# Altium PCB Minion_Rev2.PcbDoc (part 1 of 11) (continued)
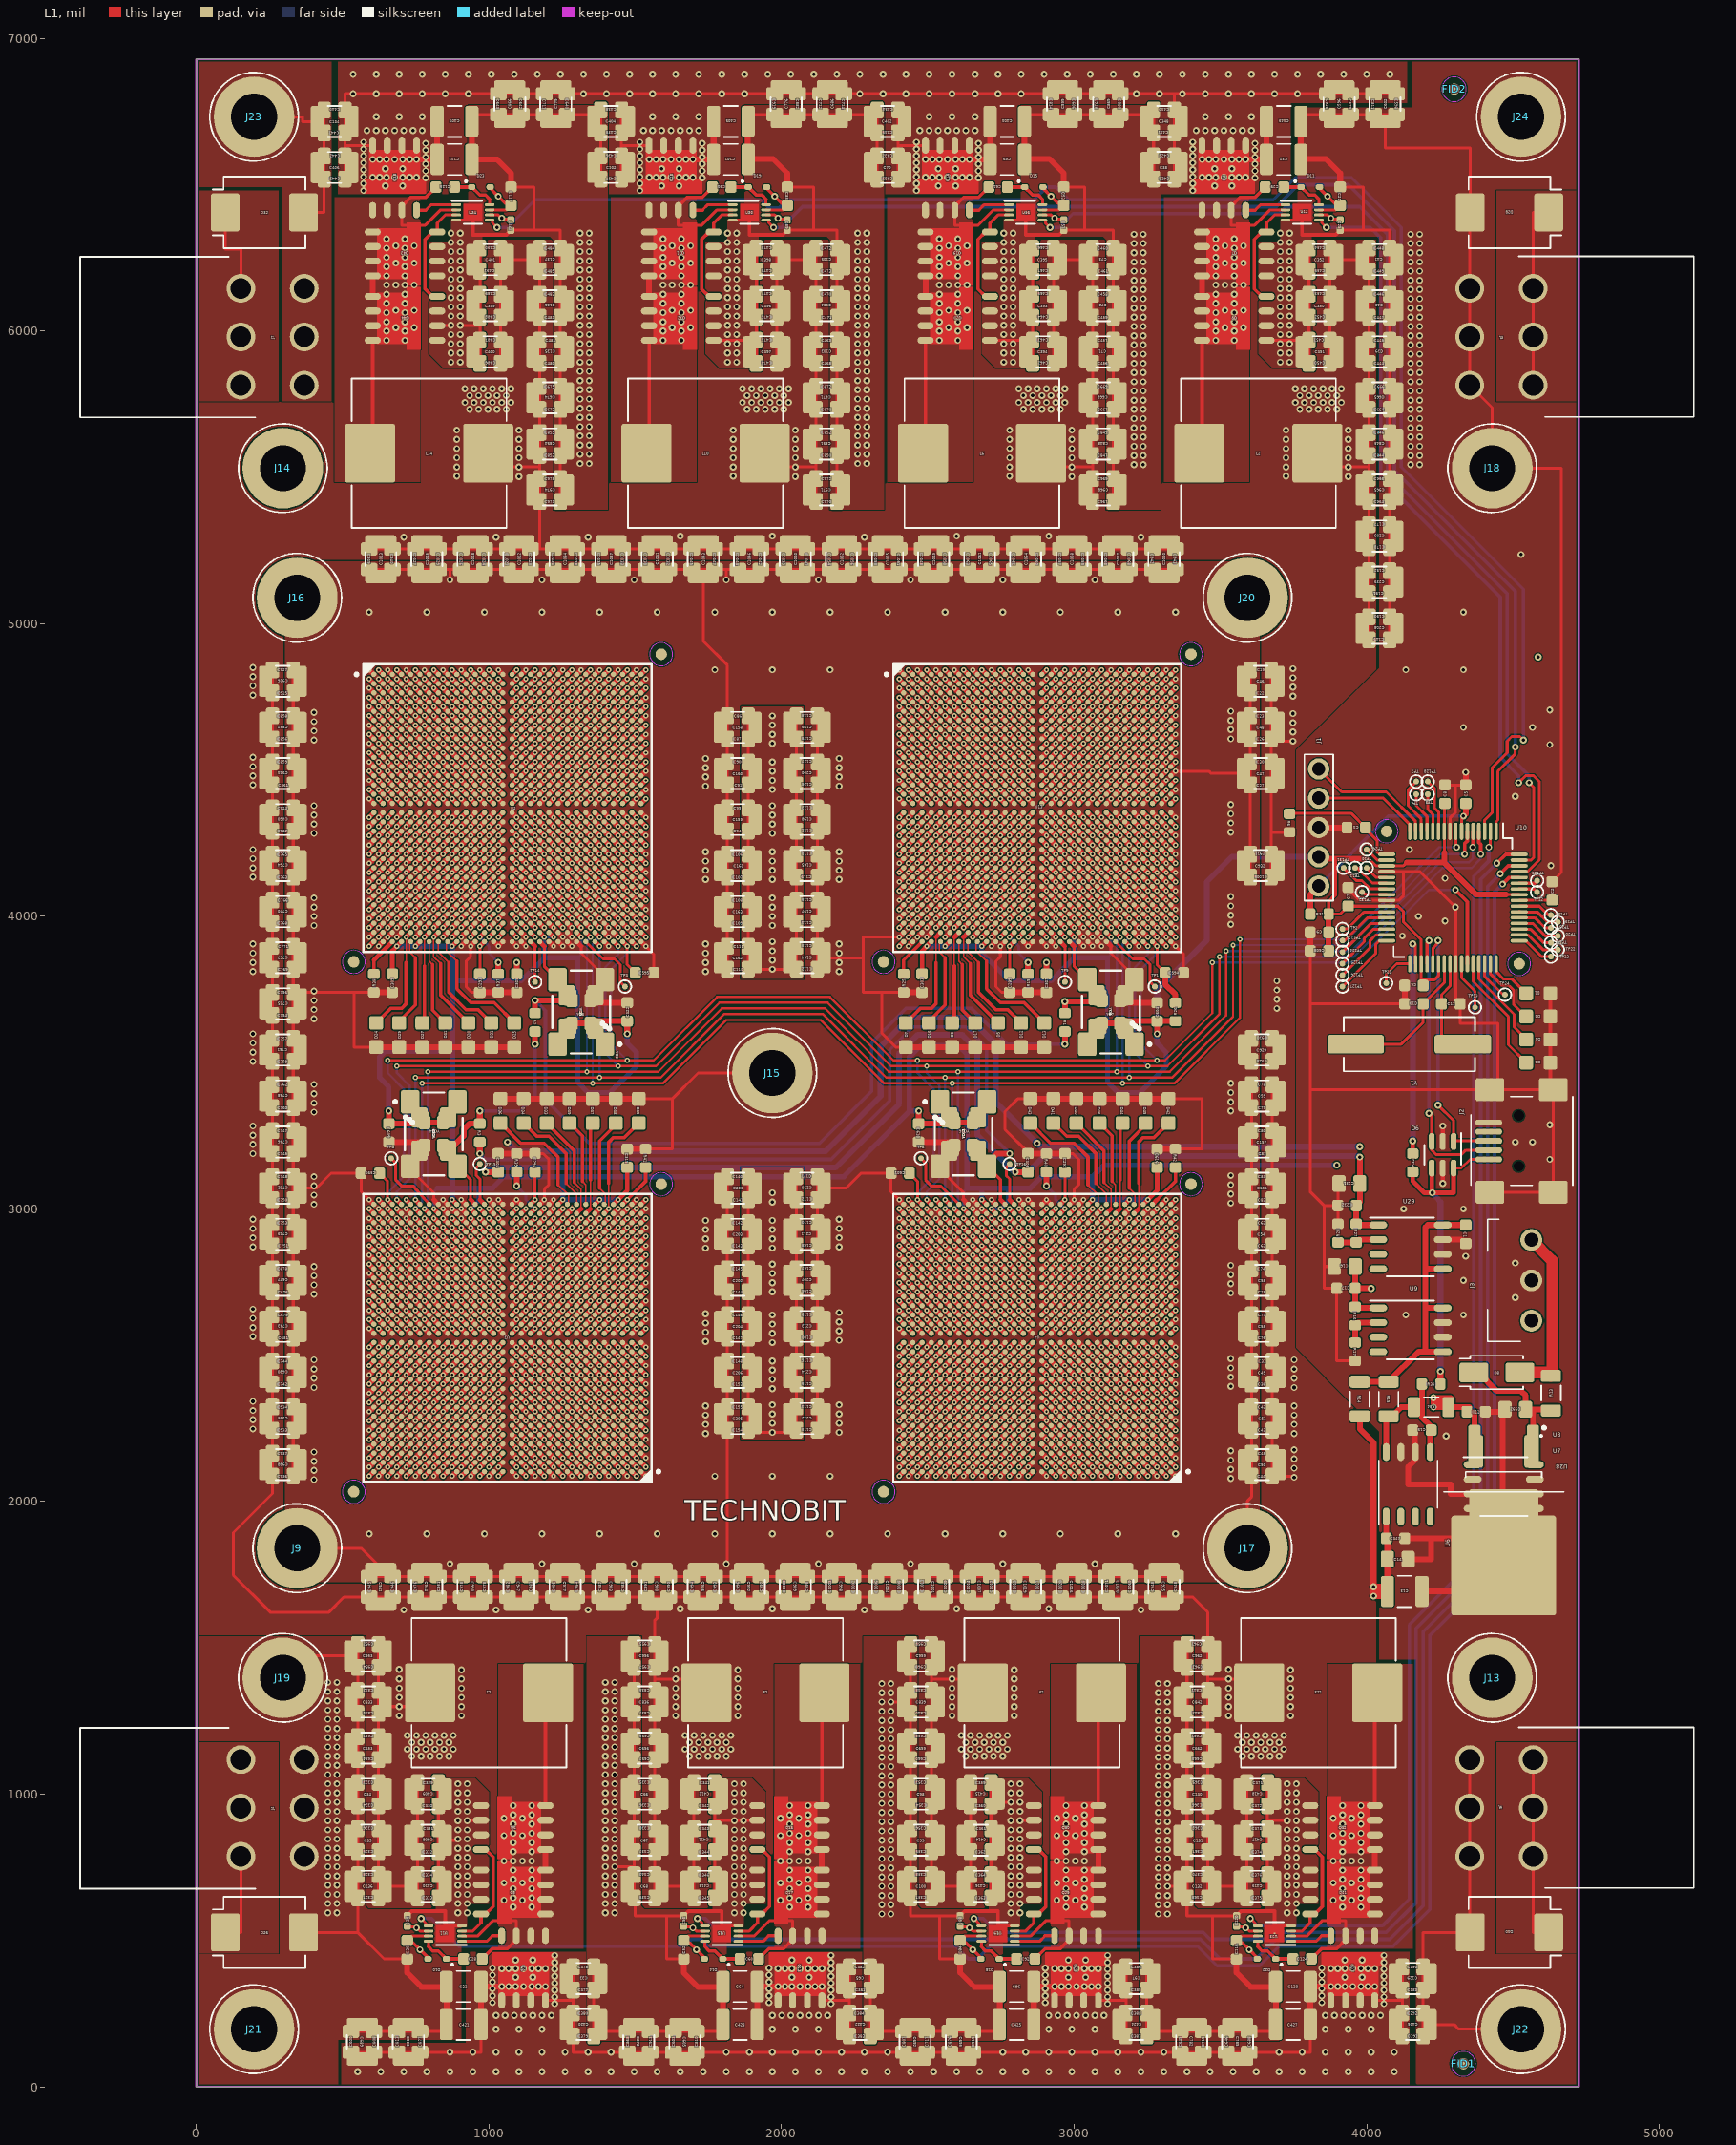
[diagram p0: L1 view]
## Design rules (kind name [scope] priority, off if disabled: settings) (continued)
PlaneConnect "Power Plane Connect Style for J6-4" [(Name='J6-4')] p11: planeconnectstyle=Relief reliefexpansion=11.81 reliefentries=4 reliefconductorwidth=14.96 reliefairgap=10
PlaneConnect "Power Plane Connect Style for J6-3" [(Name='J6-3')] p12: planeconnectstyle=Relief reliefexpansion=11.81 reliefentries=4 reliefconductorwidth=14.96 reliefairgap=10
PlaneConnect "Power Plane Connect Style for J6-2" [(Name='J6-2')] p13: planeconnectstyle=Relief reliefexpansion=11.81 reliefentries=4 reliefconductorwidth=14.96 reliefairgap=10
PlaneConnect "Power Plane Connect Style for J6-1" [(Name='J6-1')] p14: planeconnectstyle=Relief reliefexpansion=11.81 reliefentries=4 reliefconductorwidth=14.96 reliefairgap=10
PlaneConnect "Power Plane Connect Style for J5-6" [(Name='J5-6')] p15: planeconnectstyle=Relief reliefexpansion=11.81 reliefentries=4 reliefconductorwidth=14.96 reliefairgap=10
PlaneConnect "Power Plane Connect Style for J5-5" [(Name='J5-5')] p16: planeconnectstyle=Relief reliefexpansion=11.81 reliefentries=4 reliefconductorwidth=14.96 reliefairgap=10
PlaneConnect "Power Plane Connect Style for J5-4" [(Name='J5-4')] p17: planeconnectstyle=Relief reliefexpansion=11.81 reliefentries=4 reliefconductorwidth=14.96 reliefairgap=10
PlaneConnect "Power Plane Connect Style for J5-3" [(Name='J5-3')] p18: planeconnectstyle=Relief reliefexpansion=11.81 reliefentries=4 reliefconductorwidth=14.96 reliefairgap=10
PlaneConnect "Power Plane Connect Style for J5-2" [(Name='J5-2')] p19: planeconnectstyle=Relief reliefexpansion=11.81 reliefentries=4 reliefconductorwidth=14.96 reliefairgap=10
PlaneConnect "Power Plane Connect Style for J5-1" [(Name='J5-1')] p20: planeconnectstyle=Relief reliefexpansion=11.81 reliefentries=4 reliefconductorwidth=14.96 reliefairgap=10
PlaneConnect "Power Plane Connect Style for J4-6" [(Name='J4-6')] p21: planeconnectstyle=Relief reliefexpansion=11.81 reliefentries=4 reliefconductorwidth=14.96 reliefairgap=10
PlaneConnect "Power Plane Connect Style for J4-5" [(Name='J4-5')] p22: planeconnectstyle=Relief reliefexpansion=11.81 reliefentries=4 reliefconductorwidth=14.96 reliefairgap=10
PlaneConnect "Power Plane Connect Style for J4-4" [(Name='J4-4')] p23: planeconnectstyle=Relief reliefexpansion=11.81 reliefentries=4 reliefconductorwidth=14.96 reliefairgap=10
PlaneConnect "Power Plane Connect Style for J4-3" [(Name='J4-3')] p24: planeconnectstyle=Relief reliefexpansion=11.81 reliefentries=4 reliefconductorwidth=14.96 reliefairgap=10
PlaneConnect "Power Plane Connect Style for J4-2" [(Name='J4-2')] p25: planeconnectstyle=Relief reliefexpansion=11.81 reliefentries=4 reliefconductorwidth=14.96 reliefairgap=10
PlaneConnect "Power Plane Connect Style for J4-1" [(Name='J4-1')] p26: planeconnectstyle=Relief reliefexpansion=11.81 reliefentries=4 reliefconductorwidth=14.96 reliefairgap=10
PlaneConnect "Power Plane Connect Style for J3-1" [(Name='J3-1')] p27: planeconnectstyle=Relief reliefexpansion=11.81 reliefentries=4 reliefconductorwidth=11.42 reliefairgap=7.87
PlaneConnect "Power Plane Connect Style for J24-1" [(Name='J24-1')] p28: planeconnectstyle=Relief reliefexpansion=11.81 reliefentries=4 reliefconductorwidth=27.56 reliefairgap=10
PlaneConnect "Power Plane Connect Style for J23-1" [(Name='J23-1')] p29: planeconnectstyle=Relief reliefexpansion=11.81 reliefentries=4 reliefconductorwidth=27.56 reliefairgap=10
PlaneConnect "Power Plane Connect Style for J22-1" [(Name='J22-1')] p30: planeconnectstyle=Relief reliefexpansion=11.81 reliefentries=4 reliefconductorwidth=27.56 reliefairgap=10
PlaneConnect "Power Plane Connect Style for J21-1" [(Name='J21-1')] p31: planeconnectstyle=Relief reliefexpansion=11.81 reliefentries=4 reliefconductorwidth=27.56 reliefairgap=10
PlaneConnect "Power Plane Connect Style for J20-1" [(Name='J20-1')] p32: planeconnectstyle=Relief reliefexpansion=11.81 reliefentries=4 reliefconductorwidth=27.56 reliefairgap=10
PlaneConnect "Power Plane Connect Style - pads with no thermal" [(Name='J2-10') Or (Name='J2-11')] p33: planeconnectstyle=NoConnect reliefexpansion=20 reliefentries=4 reliefconductorwidth=10 reliefairgap=10 // PAD - No Thermal Connect Rule
PlaneConnect "Power Plane Connect Style for J19-1" [(Name='J19-1')] p34: planeconnectstyle=Relief reliefexpansion=11.81 reliefentries=4 reliefconductorwidth=27.56 reliefairgap=10
PlaneConnect "Power Plane Connect Style for J18-1" [(Name='J18-1')] p35: planeconnectstyle=Relief reliefexpansion=11.81 reliefentries=4 reliefconductorwidth=27.56 reliefairgap=10
PlaneConnect "Power Plane Connect Style for J17-1" [(Name='J17-1')] p36: planeconnectstyle=Relief reliefexpansion=11.81 reliefentries=4 reliefconductorwidth=27.56 reliefairgap=10
PlaneConnect "Power Plane Connect Style for J16-1" [(Name='J16-1')] p37: planeconnectstyle=Relief reliefexpansion=11.81 reliefentries=4 reliefconductorwidth=27.56 reliefairgap=10
PlaneConnect "Power Plane Connect Style for J15-1" [(Name='J15-1')] p38: planeconnectstyle=Relief reliefexpansion=11.81 reliefentries=4 reliefconductorwidth=27.56 reliefairgap=10
PlaneConnect "Power Plane Connect Style for J14-1" [(Name='J14-1')] p39: planeconnectstyle=Relief reliefexpansion=11.81 reliefentries=4 reliefconductorwidth=27.56 reliefairgap=10
PlaneConnect "Power Plane Connect Style for J13-1" [(Name='J13-1')] p40: planeconnectstyle=Relief reliefexpansion=11.81 reliefentries=4 reliefconductorwidth=27.56 reliefairgap=10
PlaneConnect "Power Plane Connect Style for J1-1" [(Name='J1-1')] p41: planeconnectstyle=Relief reliefexpansion=11.81 reliefentries=4 reliefconductorwidth=11.02 reliefairgap=7.87
PlaneConnect "Power Plane Connect Style - Via from round thru-hole global defaults" [IsVia] p42: planeconnectstyle=Relief reliefexpansion=20 reliefentries=4 reliefconductorwidth=19.68 reliefairgap=10
PlaneConnect "Power Plane Connect Style - Round thru-hole pad from global defaults" [IsPad And OnMultiLayer And (PadShape_MidLayer1 = 'Round') And (PadXSize_MidLayer1 = PadYSize_MidLayer1)] p43: planeconnectstyle=Relief reliefexpansion=20 reliefentries=4 reliefconductorwidth=19.68 reliefairgap=10
PlaneConnect "Power Plane Connect Style - Square thru-hole pad from global defaults" [IsPad And OnMultiLayer And ((PadShape_MidLayer1 = 'Rectangular') Or (PadShape_MidLayer1 = 'Octagonal') Or (PadShape_MidLayer1 = 'Rounded Rectangle')) And (PadXSize_MidLayer1 = PadYSize_MidLayer1)] p44: planeconnectstyle=Relief reliefexpansion=20 reliefentries=4 reliefconductorwidth=19.68 reliefairgap=10
PlaneConnect "Power Plane Connect Style - Rect thru-hole pad from global defaults" [IsPad And OnMultiLayer And ((PadShape_MidLayer1 = 'Rectangular') Or (PadShape_MidLayer1 = 'Octagonal') Or (PadShape_MidLayer1 = 'Rounded Rectangle')) And (PadXSize_MidLayer1 <> PadYSize_MidLayer1)] p45: planeconnectstyle=Relief reliefexpansion=20 reliefentries=4 reliefconductorwidth=19.68 reliefairgap=10
PlaneConnect "Power Plane Connect Style - Square-rect thru-hole pad from global defaults" [IsPad And OnMultiLayer And (PadShape_MidLayer1 = 'Rounded Rectangle') And (PadXSize_MidLayer1 = PadYSize_MidLayer1) And (Pad_CornerRadius_MidLayer1 = '0%')] p46: planeconnectstyle=Relief reliefexpansion=20 reliefentries=4 reliefconductorwidth=19.68 reliefairgap=10
PlaneConnect "Power Plane Connect Style - Oval thru-hole pad from global defaults" [IsPad And OnMultiLayer And (PadShape_MidLayer1 = 'Round') And (PadXSize_MidLayer1 <> PadYSize_MidLayer1)] p47: planeconnectstyle=Relief reliefexpansion=20 reliefentries=4 reliefconductorwidth=19.68 reliefairgap=10
PlaneConnect "Power Plane Connect Style - Round-oval thru-hole pad from global defaults" [IsPad And OnMultiLayer And (PadShape_MidLayer1 = 'Rounded Rectangle') And (PadXSize_MidLayer1 = PadYSize_MidLayer1) And (Pad_CornerRadius_MidLayer1 = '100%')] p48: planeconnectstyle=Relief reliefexpansion=20 reliefentries=4 reliefconductorwidth=19.68 reliefairgap=10
PolygonConnect PolygonConnect_1 [All] p1: connectstyle=Direct reliefconductorwidth=10 reliefentries=4 polygonreliefangle="90 Angle" airgapwidth=10
PolygonConnect "Polygon Connect Style - L4 Round SMD from global defaults" [IsSMTPin And (PadShape_BottomLayer = 'Round') And (PadXSize_BottomLayer = PADYSize_BottomLayer) vs Layer = 'L4'] p2: connectstyle=Relief reliefconductorwidth=11.81 reliefentries=4 polygonreliefangle="90 Angle" airgapwidth=10
PolygonConnect "Polygon Connect Style - L1 Round SMD from global defaults" [IsSMTPin And (PadShape_TopLayer = 'Round') And (PadXSize_TopLayer = PADYSize_TopLayer) vs Layer = 'L1'] p3: connectstyle=Relief reliefconductorwidth=11.81 reliefentries=4 polygonreliefangle="90 Angle" airgapwidth=10
PolygonConnect "Polygon Connect Style - L4 Square SMD from global defaults 1" [IsSMTPin And (PadShape_BottomLayer = 'Rectangular') And (PadXSize_BottomLayer = PADYSize_BottomLayer) vs Layer = 'L4'] p4: connectstyle=Relief reliefconductorwidth=11.81 reliefentries=4 polygonreliefangle="90 Angle" airgapwidth=10
PolygonConnect "Polygon Connect Style - L4 Square SMD from global defaults 2" [IsSMTPin And (PadShape_BottomLayer = 'Octagonal') And (PadXSize_BottomLayer = PADYSize_BottomLayer) vs Layer = 'L4'] p5: connectstyle=Relief reliefconductorwidth=11.81 reliefentries=4 polygonreliefangle="90 Angle" airgapwidth=10
PolygonConnect "Polygon Connect Style - L4 Square SMD from global defaults 3" [IsSMTPin And (PadShape_BottomLayer = 'Rounded Rectangle') And (PadXSize_BottomLayer = PADYSize_BottomLayer) vs Layer = 'L4'] p6: connectstyle=Relief reliefconductorwidth=11.81 reliefentries=4 polygonreliefangle="90 Angle" airgapwidth=10
PolygonConnect "Polygon Connect Style - L1 Square SMD from global defaults 1" [IsSMTPin And (PadShape_TopLayer = 'Rectangular') And (PadXSize_TopLayer = PADYSize_TopLayer) vs Layer = 'L1'] p7: connectstyle=Relief reliefconductorwidth=11.81 reliefentries=4 polygonreliefangle="90 Angle" airgapwidth=10
PolygonConnect "Polygon Connect Style - L1 Square SMD from global defaults 2" [IsSMTPin And (PadShape_TopLayer = 'Octagonal') And (PadXSize_TopLayer = PADYSize_TopLayer) vs Layer = 'L1'] p8: connectstyle=Relief reliefconductorwidth=11.81 reliefentries=4 polygonreliefangle="90 Angle" airgapwidth=10
PolygonConnect "Polygon Connect Style - L1 Square SMD from global defaults 3" [IsSMTPin And (PadShape_TopLayer = 'Rounded Rectangle') And (PadXSize_TopLayer = PADYSize_TopLayer) vs Layer = 'L1'] p9: connectstyle=Relief reliefconductorwidth=11.81 reliefentries=4 polygonreliefangle="90 Angle" airgapwidth=10
PolygonConnect "Polygon Connect Style - L4 Rect SMD from global defaults 1" [IsSMTPin And (PadShape_BottomLayer = 'Rectangular') And (PadXSize_BottomLayer <> PADYSize_BottomLayer) vs Layer = 'L4'] p10: connectstyle=Relief reliefconductorwidth=11.81 reliefentries=4 polygonreliefangle="90 Angle" airgapwidth=10
PolygonConnect "Polygon Connect Style - L4 Rect SMD from global defaults 2" [IsSMTPin And (PadShape_BottomLayer = 'Octagonal') And (PadXSize_BottomLayer <> PADYSize_BottomLayer) vs Layer = 'L4'] p11: connectstyle=Relief reliefconductorwidth=11.81 reliefentries=4 polygonreliefangle="90 Angle" airgapwidth=10
PolygonConnect "Polygon Connect Style - L4 Rect SMD from global defaults 3" [IsSMTPin And (PadShape_BottomLayer = 'Rounded Rectangle') And (PadXSize_BottomLayer <> PADYSize_BottomLayer) vs Layer = 'L4'] p12: connectstyle=Relief reliefconductorwidth=11.81 reliefentries=4 polygonreliefangle="90 Angle" airgapwidth=10
PolygonConnect "Polygon Connect Style - L4 Square-rect SMD pad from global defaults" [IsSMTPin And (PadShape_BottomLayer = 'Rounded Rectangle') And (PadXSize_BottomLayer = PADYSize_BottomLayer) And (Pad_CornerRadius_BottomLayer = '0%') vs Layer = 'L4'] p13: connectstyle=Relief reliefconductorwidth=11.81 reliefentries=4 polygonreliefangle="90 Angle" airgapwidth=10
PolygonConnect "Polygon Connect Style - L1 Rect SMD from global defaults 1" [IsSMTPin And (PadShape_TopLayer = 'Rectangular') And (PadXSize_TopLayer <> PADYSize_TopLayer) vs Layer = 'L1'] p14: connectstyle=Relief reliefconductorwidth=11.81 reliefentries=4 polygonreliefangle="90 Angle" airgapwidth=10
PolygonConnect "Polygon Connect Style - L1 Rect SMD from global defaults 2" [IsSMTPin And (PadShape_TopLayer = 'Octagonal') And (PadXSize_TopLayer <> PADYSize_TopLayer) vs Layer = 'L1'] p15: connectstyle=Relief reliefconductorwidth=11.81 reliefentries=4 polygonreliefangle="90 Angle" airgapwidth=10
PolygonConnect "Polygon Connect Style - L1 Rect SMD from global defaults 3" [IsSMTPin And (PadShape_TopLayer = 'Rounded Rectangle') And (PadXSize_TopLayer <> PADYSize_TopLayer) vs Layer = 'L1'] p16: connectstyle=Relief reliefconductorwidth=11.81 reliefentries=4 polygonreliefangle="90 Angle" airgapwidth=10
PolygonConnect "Polygon Connect Style - L1 Square-rect SMD pad from global defaults" [IsSMTPin And (PadShape_TopLayer = 'Rounded Rectangle') And (PadXSize_TopLayer = PADYSize_TopLayer) And (Pad_CornerRadius_TopLayer = '0%') vs Layer = 'L1'] p17: connectstyle=Relief reliefconductorwidth=11.81 reliefentries=4 polygonreliefangle="90 Angle" airgapwidth=10
PolygonConnect "Polygon Connect Style - L4 Oval SMD from global defaults" [IsSMTPin And (PadShape_BottomLayer = 'Round') And (PadXSize_BottomLayer <> PADYSize_BottomLayer) vs Layer = 'L4'] p18: connectstyle=Relief reliefconductorwidth=11.81 reliefentries=4 polygonreliefangle="90 Angle" airgapwidth=10
PolygonConnect "Polygon Connect Style - L4 Round-oval SMD pad from global defaults" [IsSMTPin And (PadShape_BottomLayer = 'Rounded Rectangle') And (PadXSize_BottomLayer = PADYSize_BottomLayer) And (Pad_CornerRadius_BottomLayer = '100%') vs Layer = 'L4'] p19: connectstyle=Relief reliefconductorwidth=11.81 reliefentries=4 polygonreliefangle="90 Angle" airgapwidth=10
PolygonConnect "Polygon Connect Style - L1 Oval SMD from global defaults" [IsSMTPin And (PadShape_TopLayer = 'Round') And (PadXSize_TopLayer <> PADYSize_TopLayer) vs Layer = 'L1'] p20: connectstyle=Relief reliefconductorwidth=11.81 reliefentries=4 polygonreliefangle="90 Angle" airgapwidth=10
PolygonConnect "Polygon Connect Style - L1 Round-oval SMD pad from global defaults" [IsSMTPin And (PadShape_TopLayer = 'Rounded Rectangle') And (PadXSize_TopLayer = PADYSize_TopLayer) And (Pad_CornerRadius_TopLayer = '100%') vs Layer = 'L1'] p21: connectstyle=Relief reliefconductorwidth=11.81 reliefentries=4 polygonreliefangle="90 Angle" airgapwidth=10
PolygonConnect "Polygon Connect Style - Via from round thru-hole global defaults_65" [IsVia] p22: connectstyle=Relief reliefconductorwidth=19.68 reliefentries=4 polygonreliefangle="90 Angle" airgapwidth=10
PolygonConnect "Polygon Connect Style - L4 Round thru-hole pad from global defaults" [IsPad And OnMultiLayer And (PadShape_BottomLayer = 'Round') And (PadXSize_BottomLayer = PADYSize_BottomLayer) vs Layer = 'L4'] p23: connectstyle=Relief reliefconductorwidth=19.68 reliefentries=4 polygonreliefangle="90 Angle" airgapwidth=10
PolygonConnect "Polygon Connect Style - Via from round thru-hole global defaults_64" [IsVia] p24: connectstyle=Relief reliefconductorwidth=19.68 reliefentries=4 polygonreliefangle="90 Angle" airgapwidth=10
PolygonConnect "Polygon Connect Style - L3 Round thru-hole pad from global defaults" [IsPad And OnMultiLayer And (PadShape_MidLayer2 = 'Round') And (PadXSize_MidLayer2 = PADYSize_MidLayer2) vs Layer = 'L3'] p25: connectstyle=Relief reliefconductorwidth=19.68 reliefentries=4 polygonreliefangle="90 Angle" airgapwidth=10
PolygonConnect "Polygon Connect Style - Via from round thru-hole global defaults_63" [IsVia] p26: connectstyle=Relief reliefconductorwidth=19.68 reliefentries=4 polygonreliefangle="90 Angle" airgapwidth=10
PolygonConnect "Polygon Connect Style - L2 Round thru-hole pad from global defaults" [IsPad And OnMultiLayer And (PadShape_MidLayer1 = 'Round') And (PadXSize_MidLayer1 = PADYSize_MidLayer1) vs Layer = 'L2'] p27: connectstyle=Relief reliefconductorwidth=19.68 reliefentries=4 polygonreliefangle="90 Angle" airgapwidth=10
PolygonConnect "Polygon Connect Style - Via from round thru-hole global defaults" [IsVia] p28: connectstyle=Relief reliefconductorwidth=19.68 reliefentries=4 polygonreliefangle="90 Angle" airgapwidth=10
PolygonConnect "Polygon Connect Style - L1 Round thru-hole pad from global defaults" [IsPad And OnMultiLayer And (PadShape_TopLayer = 'Round') And (PadXSize_TopLayer = PADYSize_TopLayer) vs Layer = 'L1'] p29: connectstyle=Relief reliefconductorwidth=19.68 reliefentries=4 polygonreliefangle="90 Angle" airgapwidth=10
PolygonConnect "Polygon Connect Style - L4 Square thru-hole pad from global defaults" [IsPad And OnMultiLayer And ((PadShape_BottomLayer = 'Rectangular') Or (PadShape_BottomLayer = 'Octagonal') Or (PadShape_BottomLayer = 'Rounded Rectangle')) And (PadXSize_BottomLayer = PADYSize_BottomLayer) vs Layer = 'L4'] p30: connectstyle=Relief reliefconductorwidth=19.68 reliefentries=4 polygonreliefangle="90 Angle" airgapwidth=10
PolygonConnect "Polygon Connect Style - L3 Square thru-hole pad from global defaults" [IsPad And OnMultiLayer And ((PadShape_MidLayer2 = 'Rectangular') Or (PadShape_MidLayer2 = 'Octagonal') Or (PadShape_MidLayer2 = 'Rounded Rectangle')) And (PadXSize_MidLayer2 = PADYSize_MidLayer2) vs Layer = 'L3'] p31: connectstyle=Relief reliefconductorwidth=19.68 reliefentries=4 polygonreliefangle="90 Angle" airgapwidth=10
PolygonConnect "Polygon Connect Style - L2 Square thru-hole pad from global defaults" [IsPad And OnMultiLayer And ((PadShape_MidLayer1 = 'Rectangular') Or (PadShape_MidLayer1 = 'Octagonal') Or (PadShape_MidLayer1 = 'Rounded Rectangle')) And (PadXSize_MidLayer1 = PADYSize_MidLayer1) vs Layer = 'L2'] p32: connectstyle=Relief reliefconductorwidth=19.68 reliefentries=4 polygonreliefangle="90 Angle" airgapwidth=10
PolygonConnect "Polygon Connect Style - L1 Square thru-hole pad from global defaults" [IsPad And OnMultiLayer And ((PadShape_TopLayer = 'Rectangular') Or (PadShape_TopLayer = 'Octagonal') Or (PadShape_TopLayer = 'Rounded Rectangle')) And (PadXSize_TopLayer = PADYSize_TopLayer) vs Layer = 'L1'] p33: connectstyle=Relief reliefconductorwidth=19.68 reliefentries=4 polygonreliefangle="90 Angle" airgapwidth=10
PolygonConnect "Polygon Connect Style - L4 Rect thru-hole pad from global defaults" [IsPad And OnMultiLayer And ((PadShape_BottomLayer = 'Rectangular') Or (PadShape_BottomLayer = 'Octagonal') Or (PadShape_BottomLayer = 'Rounded Rectangle')) And (PadXSize_BottomLayer <> PADYSize_BottomLayer) vs Layer = 'L4'] p34: connectstyle=Relief reliefconductorwidth=19.68 reliefentries=4 polygonreliefangle="90 Angle" airgapwidth=10
PolygonConnect "Polygon Connect Style - L4 Square-rect thru-hole pad from global defaults" [IsPad And OnMultiLayer And (PadShape_BottomLayer = 'Rounded Rectangle') And (PadXSize_BottomLayer = PADYSize_BottomLayer) And (Pad_CornerRadius_BottomLayer = '0%') vs Layer = 'L4'] p35: connectstyle=Relief reliefconductorwidth=19.68 reliefentries=4 polygonreliefangle="90 Angle" airgapwidth=10
PolygonConnect "Polygon Connect Style - L3 Rect thru-hole pad from global defaults" [IsPad And OnMultiLayer And ((PadShape_MidLayer2 = 'Rectangular') Or (PadShape_MidLayer2 = 'Octagonal') Or (PadShape_MidLayer2 = 'Rounded Rectangle')) And (PadXSize_MidLayer2 <> PADYSize_MidLayer2) vs Layer = 'L3'] p36: connectstyle=Relief reliefconductorwidth=19.68 reliefentries=4 polygonreliefangle="90 Angle" airgapwidth=10
PolygonConnect "Polygon Connect Style - L3 Square-rect thru-hole pad from global defaults" [IsPad And OnMultiLayer And (PadShape_MidLayer2 = 'Rounded Rectangle') And (PadXSize_MidLayer2 = PADYSize_MidLayer2) And (Pad_CornerRadius_MidLayer2 = '0%') vs Layer = 'L3'] p37: connectstyle=Relief reliefconductorwidth=19.68 reliefentries=4 polygonreliefangle="90 Angle" airgapwidth=10
PolygonConnect "Polygon Connect Style - L2 Rect thru-hole pad from global defaults" [IsPad And OnMultiLayer And ((PadShape_MidLayer1 = 'Rectangular') Or (PadShape_MidLayer1 = 'Octagonal') Or (PadShape_MidLayer1 = 'Rounded Rectangle')) And (PadXSize_MidLayer1 <> PADYSize_MidLayer1) vs Layer = 'L2'] p38: connectstyle=Relief reliefconductorwidth=19.68 reliefentries=4 polygonreliefangle="90 Angle" airgapwidth=10
PolygonConnect "Polygon Connect Style - L2 Square-rect thru-hole pad from global defaults" [IsPad And OnMultiLayer And (PadShape_MidLayer1 = 'Rounded Rectangle') And (PadXSize_MidLayer1 = PADYSize_MidLayer1) And (Pad_CornerRadius_MidLayer1 = '0%') vs Layer = 'L2'] p39: connectstyle=Relief reliefconductorwidth=19.68 reliefentries=4 polygonreliefangle="90 Angle" airgapwidth=10
PolygonConnect "Polygon Connect Style - L1 Rect thru-hole pad from global defaults" [IsPad And OnMultiLayer And ((PadShape_TopLayer = 'Rectangular') Or (PadShape_TopLayer = 'Octagonal') Or (PadShape_TopLayer = 'Rounded Rectangle')) And (PadXSize_TopLayer <> PADYSize_TopLayer) vs Layer = 'L1'] p40: connectstyle=Relief reliefconductorwidth=19.68 reliefentries=4 polygonreliefangle="90 Angle" airgapwidth=10
PolygonConnect "Polygon Connect Style - L1 Square-rect thru-hole pad from global defaults" [IsPad And OnMultiLayer And (PadShape_TopLayer = 'Rounded Rectangle') And (PadXSize_TopLayer = PADYSize_TopLayer) And (Pad_CornerRadius_TopLayer = '0%') vs Layer = 'L1'] p41: connectstyle=Relief reliefconductorwidth=19.68 reliefentries=4 polygonreliefangle="90 Angle" airgapwidth=10
PolygonConnect "Polygon Connect Style - L4 Oval thru-hole pad from global defaults" [IsPad And OnMultiLayer And (PadShape_BottomLayer = 'Round') And (PadXSize_BottomLayer <> PADYSize_BottomLayer) vs Layer = 'L4'] p42: connectstyle=Relief reliefconductorwidth=19.68 reliefentries=4 polygonreliefangle="90 Angle" airgapwidth=10
PolygonConnect "Polygon Connect Style - L4 Round-oval thru-hole pad from global defaults" [IsPad And OnMultiLayer And (PadShape_BottomLayer = 'Rounded Rectangle') And (PadXSize_BottomLayer = PADYSize_BottomLayer) And (Pad_CornerRadius_BottomLayer = '100%') vs Layer = 'L4'] p43: connectstyle=Relief reliefconductorwidth=19.68 reliefentries=4 polygonreliefangle="90 Angle" airgapwidth=10
PolygonConnect "Polygon Connect Style - L3 Oval thru-hole pad from global defaults" [IsPad And OnMultiLayer And (PadShape_MidLayer2 = 'Round') And (PadXSize_MidLayer2 <> PADYSize_MidLayer2) vs Layer = 'L3'] p44: connectstyle=Relief reliefconductorwidth=19.68 reliefentries=4 polygonreliefangle="90 Angle" airgapwidth=10
PolygonConnect "Polygon Connect Style - L3 Round-oval thru-hole pad from global defaults" [IsPad And OnMultiLayer And (PadShape_MidLayer2 = 'Rounded Rectangle') And (PadXSize_MidLayer2 = PADYSize_MidLayer2) And (Pad_CornerRadius_MidLayer2 = '100%') vs Layer = 'L3'] p45: connectstyle=Relief reliefconductorwidth=19.68 reliefentries=4 polygonreliefangle="90 Angle" airgapwidth=10
PolygonConnect "Polygon Connect Style - L2 Oval thru-hole pad from global defaults" [IsPad And OnMultiLayer And (PadShape_MidLayer1 = 'Round') And (PadXSize_MidLayer1 <> PADYSize_MidLayer1) vs Layer = 'L2'] p46: connectstyle=Relief reliefconductorwidth=19.68 reliefentries=4 polygonreliefangle="90 Angle" airgapwidth=10
PolygonConnect "Polygon Connect Style - L2 Round-oval thru-hole pad from global defaults" [IsPad And OnMultiLayer And (PadShape_MidLayer1 = 'Rounded Rectangle') And (PadXSize_MidLayer1 = PADYSize_MidLayer1) And (Pad_CornerRadius_MidLayer1 = '100%') vs Layer = 'L2'] p47: connectstyle=Relief reliefconductorwidth=19.68 reliefentries=4 polygonreliefangle="90 Angle" airgapwidth=10
PolygonConnect "Polygon Connect Style - L1 Oval thru-hole pad from global defaults" [IsPad And OnMultiLayer And (PadShape_TopLayer = 'Round') And (PadXSize_TopLayer <> PADYSize_TopLayer) vs Layer = 'L1'] p48: connectstyle=Relief reliefconductorwidth=19.68 reliefentries=4 polygonreliefangle="90 Angle" airgapwidth=10
PolygonConnect "Polygon Connect Style - L1 Round-oval thru-hole pad from global defaults" [IsPad And OnMultiLayer And (PadShape_TopLayer = 'Rounded Rectangle') And (PadXSize_TopLayer = PADYSize_TopLayer) And (Pad_CornerRadius_TopLayer = '100%') vs Layer = 'L1'] p49: connectstyle=Relief reliefconductorwidth=19.68 reliefentries=4 polygonreliefangle="90 Angle" airgapwidth=10
PolygonConnect [All] p50: connectstyle=Relief reliefconductorwidth=10 reliefentries=4 polygonreliefangle="90 Angle" airgapwidth=10
RoomDefinition U_CPU_Logic [InComponentClass('U_CPU_Logic')] p1: confinementstyle=ConfineIn formatcopy=TRUE lockcomponents=FALSE outline -27240.16,-26104.33 -25240.16,-26104.33 -25240.16,-25104.33 -27240.16,-25104.33
RoomDefinition SMPS [InComponentClass('SMPS')] p2: confinementstyle=ConfineIn formatcopy=TRUE lockcomponents=FALSE outline -27240.16,-26104.33 -25240.16,-26104.33 -25240.16,-25104.33 -27240.16,-25104.33
RoomDefinition MCU [InComponentClass('MCU')] p3: confinementstyle=ConfineIn formatcopy=TRUE lockcomponents=FALSE outline -27240.16,-26104.33 -25240.16,-26104.33 -25240.16,-25104.33 -27240.16,-25104.33
RoutingLayers "'Default' PADS rule_3" [All] p1: top layer_v5=TRUE mid layer 1_v5=TRUE mid layer 2_v5=TRUE bottom layer_v5=TRUE
RoutingPriority "'Default' PADS rule_2" [All] p1: routingpriority=3
RoutingTopology "'Default' PADS rule" [All] p1: topology=Shortest
RoutingVias "'Default' PADS rule_4" [All] p1: holewidth=11.81 width=23.62 viastyle="Through Hole" minholewidth=11.81 minwidth=23.62 maxholewidth=11.81 maxwidth=23.62
SMDToCorner "'All on Layer' PADS rule_50" [OnLayer('L2') vs OnLayer('L2')] p1: distance=39370
SMDToCorner "'All on Layer' PADS rule_35" [OnLayer('L3') vs OnLayer('L3')] p2: distance=39370
SMDToCorner "'Default' PADS rule_17" [All] p3: distance=39370
SMDToPlane "'All on Layer' PADS rule_51" [OnLayer('L2') vs OnLayer('L2')] p1: distance=39370
SMDToPlane "'All on Layer' PADS rule_36" [OnLayer('L3') vs OnLayer('L3')] p2: distance=39370
SMDToPlane "'Default' PADS rule_18" [All] p3: distance=39370
SolderMaskExpansion [All] p1: expansion=4
StubLength "'Default' PADS rule_6" [All] p1: limit=1000
UnpouredPolygon [All] p1: allowunpoured=FALSE
Width "'All on Layer' PADS rule_48" [OnLayer('L2') vs OnLayer('L2')] p1: maxlimit=118.11 minlimit=9.84 preferedwidth=11.81
Width "'All on Layer' PADS rule" [OnLayer('L3') vs OnLayer('L3')] p2: maxlimit=118.11 minlimit=9.84 preferedwidth=11.81
Width "'Default' PADS rule_14" [All] p3: maxlimit=118.11 minlimit=4.33 preferedwidth=9.84
23 further rules are at their usual default settings.

## Classes and differential pairs
component class U_CPU_Logic: C19 C22 C23 C26 C27 C30 C31 C36 C42 C43 C44 C45 C46 C47 C48 C49 C50 C51 C54 C55 C58 C59 C62 C63 C74 C75 C76 C77 C78 C79 C80 C81 C82 C83 C86 C87 C90 C91 C94 C95 C106 C107 C108 C109 C110 C111 C112 C113 C114 C115 C118 C119 C122 C123 C126 C127 C138 C139 C140 C141 C142 C143 C144 C145 C146 C147 C148 C149 C150 C151 C152 C153 C154 C155 C156 C157 C158 C159 C160 C161 C162 C163 C164 C165 C166 C167 C169 C170 C171 C172 C173 C174 C175 C176 C177 C178 C179 C180 C197 C198 C199 C200 C201 C202 C203 C204 C205 C206 C207 C208 C209 C210 C211 C212 C213 C214 C239 C289 C291 C293 C294 C303 C304 C305 C306 C307 C309 C315 C322 C594 C595 C597 C601 C604 C609 C610 C616 D5 D7 D9 D12 D13 D16 D17 D20 D21 D24 D25 D27 D29 D31 D33 D34 D35 D36 D37 D38 D39 D40 D41 D42 D43 D44 D45 D46 R1 R2 R3 R19 R25 R37 R38 R39 R40 R41 R42 TP1 TP3 TP4 TP8 TP9 TP14 TP15 TP16 U2 U3 U4 U13 YO1 YO2 YO3 YO4 YO5 YO6 YO7 YO8 YO9 YO10 YO11 YO12 YO13 YO14 YO15 YO16
component class SMPS: C20 C21 C24 C25 C28 C29 C32 C33 C34 C35 C37 C38 C39 C40 C41 C52 C53 C56 C57 C60 C61 C64 C65 C66 C67 C68 C69 C70 C71 C72 C73 C84 C85 C88 C89 C92 C93 C96 C97 C98 C99 C100 C101 C102 C103 C104 C105 C116 C117 C120 C121 C124 C125 C128 C129 C130 C131 C132 C133 C134 C135 C136 C137 C236 C323 C324 C325 C326 C327 C328 C329 C330 C331 C332 C333 C334 C335 C336 C337 C338 C339 C340 C341 C342 C343 C344 C345 C346 C348 C349 C350 C351 C352 C353 C354 C355 C356 C357 C358 C359 C360 C361 C362 C363 C364 C365 C366 C367 C368 C369 C370 C371 C372 C373 C374 C375 C376 C377 C378 C379 C380 C381 C382 C383 C384 C385 C386 C387 C388 C389 C390 C391 C392 C393 C394 C395 C396 C397 C398 C399 C400 C401 C402 C403 C404 C405 C406 C407 C408 C409 C410 C411 C412 C413 C414 C415 C416 C417 C418 C419 C420 C421 C422 C423 C424 C425 C426 C427 C428 C429 C430 C431 C432 C433 C434 C435 C436 C437 C438 C439 C440 C441 C442 C443 C444 C445 C446 C447 C448 C449 C450 C451 C452 C453 C454 C455 C456 C457 C458 C459 C460 C461 C462 C463 C464 C465 C466 C467 C468 C469 C470 C471 C472 C473 C474 C475 C476 C477 C478 C479 C480 C481 C482 C483 C484 C485 C486 C487 C488 C489 C490 C491 C593 C596 C598 C599 C600 C602 C603 C605 C606 C640 C642 C643 C645 C646 C652 C653 C654 C655 C656 C657 C658 C659 C660 C661 C662 C663 C664 C665 C666 C667 C668 C669 C670 C671 C672 C673 C674 C675 C676 C677 C678 C679 C680 C681 C686 C688 C689 C692 C695 C711 C712 C714 C715 C717 C742 C743 C744 C745 C746 C747 C748 C749 C750 C751 C752 C753 C754 C755 C756 C757 C758 C759 C760 C761 C762 C763 C764 C765 C766 C767 C768 C769 C770 C771 C776 C779 C782 C785 C807 C808 C810 C811 C813 C814 C832 C833 C834 C835 C836 C837 C838 C839 C840 C841 C842 C843 C844 C845 C846 C847 C848 C849 C850 C851 C852 C853 C854 C855 C856 C857 C858 C859 C860 C861 C866 C868 C869 C872 C876 C877 C879 C880 C882 C913 C915 C916 C918 C919 C922 C923 C924 C925 C926 C927 C928 C929 C930 C931 C932 C933 C934 C935 C936 C937 C938 C939 C940 C941 C942 C943 C944 C945 C946 C947 C948 C949 C950 C951 C952 C953 C954 C955 C956 C957 C958 C959 C960 C961 C962 C963 C964 C965 C966 C967 C968 C969 C970 C971 C972 C973 C974 C975 C976 C977 C978 C979 C980 C981 C982 C983 C984 C985 C986 C987 C988 C989 C990 C991 C992 C993 C994 C995 C996 C997 C998 C999 C1000 C1001 C1002 C1003 C1004 C1005 C1006 C1007 C1008 C1009 C1010 C1011 C1012 C1013 C1014 C1015 C1016 C1017 C1018 C1019 C1020 C1021 C1022 C1023 C1024 C1025 C1026 C1027 C1028 C1029 C1030 C1031 C1032 C1033 C1034 C1035 C1036 C1037 C1038 C1039 C1040 C1041 C1042 C1043 C1044 C1045 C1046 C1047 C1048 C1049 C1050 C1051 C1052 C1053 C1054 C1055 C1056 C1057 C1058 C1059 C1060 C1061 C1062 C1063 C1064 C1065 C1066 C1067 C1068 C1069 C1070 C1071 D10 D11 D14 D15 D18 D19 D22 D23 L1 L2 L5 L6 L9 L10 L13 L14 Q1 Q2 Q5 Q6 Q7 Q8 Q13 Q14 Q17 Q18 Q19 Q20 Q25 Q26 Q29 Q30 Q31 Q32 Q37 Q38 Q41 Q42 Q43 Q44 U11 U12 U15 U16 U19 U20 U23 U24
component class MCU: C1 C2 C3 C5 C6 C7 C8 C9 C10 C11 C12 C13 C14 C15 C16 C17 C231 C232 C347 C592 C608 D1 D2 D3 D4 D6 D8 D26 D28 D30 D32 FID1 FID2 J1 J2 J3 J4 J5 J6 J7 J9 J13 J14 J15 J16 J17 J18 J19 J20 J21 J22 J23 J24 R6 R13 R14 R15 R16 R17 R26 R27 R28 R31 R32 R33 R34 TP2 TP5 TP6 TP7 TP10 TP11 TP12 TP13 TP17 TP18 TP19 TP20 TP21 TP22 TP23 TP24 TP25 TP26 TP123 TP124 TP125 TP126 TP127 TP128 TP129 TP131 TP132 U6 U7 U8 U9 U10 U28 U29 Y1

## Components (designator, comment, footprint, x,y, rotation, side; value= is the part's Value field where it differs from the comment)
C1 "10uF" SMD_0603_CAPC1608X95N 4338.58,2913.39 r270 top
C2 "10uF" SMD_0603_CAPC1608X95N 4633.86,4086.61 r90 top
C3 "1nF" SMD_0603_CAPC1608X95N 3964.57,4303.15 r180 top
C5 "100nF" SMD_0603_CAPC1608X95N 4338.58,4417.32 r90 top
C6 "100nF" SMD_0603_CAPC1608X95N 4161.42,3763.78 r180 top
C7 "100nF" SMD_0603_CAPC1608X95N 3937.01,4066.93 r90 top
C8 "100nF" SMD_0603_CAPC1608X95N 4267.72,4417.32 r90 top
C9 "100nF" SMD_0603_CAPC1608X95N 3838.58,3944.88 r180 top
C10 "18pF" SMD_0603_CAPC1608X95N 4161.42,3700.79 r180 top
C11 "18pF" SMD_0603_CAPC1608X95N 4287.4,3700.79 r0 top
C12 "10uF" SMD_0603_CAPC1608X95N 4374.02,2307.09 r0 top
C13 "220uF" SMD_1210_CAPC3225X279N 4129.92,1692.91 r180 top
C14 "22uF" SMD_0805_CAPC2012X145N 4106.3,1803.15 r0 top
C15 "10uF" SMD_0603_CAPC1608X95N 4188.98,2244.09 r180 top
C16 "22uF" SMD_0805_CAPC2012X145N 3925.2,2803.15 r180 top
C17 "100nF" SMD_0603_CAPC1608X95N 3929.13,2728.35 r180 top
C19 "22uF" SMD_0805_CAPC2012X145N 3637.8,4842.52 r0 top
C20 "10uF" SMD_0603_CAPC1608X95N 720.47,468.5 r90 top
C21 "10uF" SMD_0603_CAPC1608X95N 3909.45,6460.63 r270 top
C22 "22uF" SMD_0805_CAPC2012X145N 3637.8,4763.78 r0 top
C23 "22uF" SMD_0805_CAPC2012X145N 3637.8,4685.04 r0 top
C24 "100nF" SMD_0402_CAPC1005X55N 720.47,566.93 r90 top
C25 "100nF" SMD_0402_CAPC1005X55N 3909.45,6362.2 r270 top
C26 "22uF" SMD_0805_CAPC2012X145N 3637.8,4606.3 r0 top
C27 "22uF" SMD_0805_CAPC2012X145N 3637.8,4448.82 r0 top
C28 "220nF" SMD_0603_CAPC1608X95N 944.88,437.01 r0 top
C29 "220nF" SMD_0603_CAPC1608X95N 3685.04,6492.13 r180 top
C30 "22uF" SMD_0805_CAPC2012X145N 3637.8,4527.56 r0 top
C31 "22uF" SMD_0805_CAPC2012X145N 3641.73,2480.32 r0 top
C32 "100uF" SMD_1210_CAPC3225X270N 913.39,342.52 r0 top
C33 "100uF" SMD_1210_CAPC3225X270N 1322.83,370.08 r180 top
C34 "220uF" SMD_1210_CAPC3225X279N 586.61,1000 r0 top
C35 "220uF" SMD_1210_CAPC3225X279N 586.61,842.52 r0 top
C36 "22uF" SMD_0805_CAPC2012X145N 3641.73,2401.57 r0 top
C37 "100uF" SMD_1210_CAPC3225X270N 3716.54,6586.61 r180 top
C38 "100uF" SMD_1210_CAPC3225X270N 3307.09,6559.06 r0 top
C39 "220uF" SMD_1210_CAPC3225X279N 4043.31,5929.13 r180 top
C40 "220uF" SMD_1210_CAPC3225X279N 4043.31,6086.61 r180 top
C41 "220uF" SMD_1210_CAPC3225X279N 4043.31,6244.09 r180 top
C42 "22uF" SMD_0805_CAPC2012X145N 3641.73,2322.83 r0 top
C43 "22uF" SMD_0805_CAPC2012X145N 3641.73,2244.09 r0 top
C44 "22uF" SMD_0805_CAPC2012X145N 3641.73,2086.61 r0 top
C45 "22uF" SMD_0805_CAPC2012X145N 3641.73,2165.35 r0 top
C46 "220uF" SMD_1210_CAPC3225X279N 3637.8,4803.15 r0 top
C47 "220uF" SMD_1210_CAPC3225X279N 3637.8,4488.19 r0 top
C48 "220uF" SMD_1210_CAPC3225X279N 3637.8,4645.67 r0 top
C49 "220uF" SMD_1210_CAPC3225X279N 3641.73,2440.94 r0 top
C50 "220uF" SMD_1210_CAPC3225X279N 3641.73,2125.98 r0 top
C51 "220uF" SMD_1210_CAPC3225X279N 3641.73,2283.46 r0 top
C52 "10uF" SMD_0603_CAPC1608X95N 1665.35,468.5 r90 top
C53 "10uF" SMD_0603_CAPC1608X95N 2964.57,6460.63 r270 top
C54 "220uF" SMD_1210_CAPC3225X279N 3641.73,2913.39 r0 top
C55 "220uF" SMD_1210_CAPC3225X279N 3641.73,2598.43 r0 top
C56 "100nF" SMD_0402_CAPC1005X55N 1665.35,566.93 r90 top
C57 "100nF" SMD_0402_CAPC1005X55N 2964.57,6362.2 r270 top
C58 "220uF" SMD_1210_CAPC3225X279N 3641.73,2755.91 r0 top
C59 "220uF" SMD_1210_CAPC3225X279N 3641.73,3385.83 r0 top
C60 "220nF" SMD_0603_CAPC1608X95N 1889.76,437.01 r0 top
C61 "220nF" SMD_0603_CAPC1608X95N 2740.16,6492.13 r180 top
C62 "22uF" SMD_0805_CAPC2012X145N 3641.73,2952.76 r0 top
C63 "22uF" SMD_0805_CAPC2012X145N 3641.73,2874.02 r0 top
C64 "100uF" SMD_1210_CAPC3225X270N 1858.27,342.52 r0 top
C65 "100uF" SMD_1210_CAPC3225X270N 2267.72,370.08 r180 top
C66 "220uF" SMD_1210_CAPC3225X279N 1531.5,1000 r0 top
C67 "220uF" SMD_1210_CAPC3225X279N 1531.5,842.52 r0 top
C68 "220uF" SMD_1210_CAPC3225X279N 1531.5,685.04 r0 top
C69 "100uF" SMD_1210_CAPC3225X270N 2771.65,6586.61 r180 top
C70 "100uF" SMD_1210_CAPC3225X270N 2362.2,6559.06 r0 top
C71 "220uF" SMD_1210_CAPC3225X279N 3098.43,5929.13 r180 top
C72 "220uF" SMD_1210_CAPC3225X279N 3098.43,6086.61 r180 top
C73 "220uF" SMD_1210_CAPC3225X279N 3098.43,6244.09 r180 top
C74 "22uF" SMD_0805_CAPC2012X145N 3641.73,2795.28 r0 top
C75 "22uF" SMD_0805_CAPC2012X145N 3641.73,2716.54 r0 top
C76 "22uF" SMD_0805_CAPC2012X145N 3641.73,2559.06 r0 top
C77 "22uF" SMD_0805_CAPC2012X145N 3641.73,2637.8 r0 top
C78 "22uF" SMD_0805_CAPC2012X145N 3641.73,3425.2 r0 top
C79 "22uF" SMD_0805_CAPC2012X145N 3641.73,3346.46 r0 top
C80 "22uF" SMD_0805_CAPC2012X145N 3641.73,3267.72 r0 top
C81 "22uF" SMD_0805_CAPC2012X145N 3641.73,3188.98 r0 top
C82 "22uF" SMD_0805_CAPC2012X145N 3641.73,3031.5 r0 top
C83 "22uF" SMD_0805_CAPC2012X145N 3641.73,3110.24 r0 top
C84 "10uF" SMD_0603_CAPC1608X95N 2610.24,468.5 r90 top
C85 "10uF" SMD_0603_CAPC1608X95N 2019.68,6460.63 r270 top
C86 "22uF" SMD_0805_CAPC2012X145N 1850.39,4685.04 r0 top
C87 "22uF" SMD_0805_CAPC2012X145N 1850.39,4606.3 r0 top
C88 "100nF" SMD_0402_CAPC1005X55N 2610.24,566.93 r90 top
C89 "100nF" SMD_0402_CAPC1005X55N 2019.68,6362.2 r270 top
C90 "22uF" SMD_0805_CAPC2012X145N 1850.39,4527.56 r0 top
C91 "22uF" SMD_0805_CAPC2012X145N 1850.39,4448.82 r0 top
C92 "220nF" SMD_0603_CAPC1608X95N 2834.65,437.01 r0 top
C93 "220nF" SMD_0603_CAPC1608X95N 1795.28,6492.13 r180 top
C94 "22uF" SMD_0805_CAPC2012X145N 1850.39,4291.34 r0 top
C95 "22uF" SMD_0805_CAPC2012X145N 1850.39,4370.08 r0 top
C96 "100uF" SMD_1210_CAPC3225X270N 2803.15,342.52 r0 top
C97 "100uF" SMD_1210_CAPC3225X270N 3212.6,370.08 r180 top
C98 "220uF" SMD_1210_CAPC3225X279N 2476.38,1000 r0 top
C99 "220uF" SMD_1210_CAPC3225X279N 2476.38,842.52 r0 top
C100 "220uF" SMD_1210_CAPC3225X279N 2476.38,685.04 r0 top
C101 "100uF" SMD_1210_CAPC3225X270N 1826.77,6586.61 r180 top
C102 "100uF" SMD_1210_CAPC3225X270N 1417.32,6559.06 r0 top
C103 "220uF" SMD_1210_CAPC3225X279N 2153.54,5929.13 r180 top
C104 "220uF" SMD_1210_CAPC3225X279N 2153.54,6086.61 r180 top
C105 "220uF" SMD_1210_CAPC3225X279N 2153.54,6244.09 r180 top
C106 "22uF" SMD_0805_CAPC2012X145N 1850.39,4212.6 r0 top
C107 "22uF" SMD_0805_CAPC2012X145N 1850.39,4133.86 r0 top
C108 "22uF" SMD_0805_CAPC2012X145N 1850.39,4055.12 r0 top
C109 "22uF" SMD_0805_CAPC2012X145N 1850.39,3976.38 r0 top
C110 "22uF" SMD_0805_CAPC2012X145N 1850.39,3818.9 r0 top
C111 "22uF" SMD_0805_CAPC2012X145N 1850.39,3897.64 r0 top
C112 "22uF" SMD_0805_CAPC2012X145N 2086.61,3818.9 r180 top
C113 "22uF" SMD_0805_CAPC2012X145N 2086.61,3897.64 r180 top
C114 "22uF" SMD_0805_CAPC2012X145N 2086.61,3976.38 r180 top
C115 "22uF" SMD_0805_CAPC2012X145N 2086.61,4055.12 r180 top
C116 "10uF" SMD_0603_CAPC1608X95N 3555.12,468.5 r90 top
C117 "10uF" SMD_0603_CAPC1608X95N 1074.8,6460.63 r270 top
C118 "22uF" SMD_0805_CAPC2012X145N 2086.61,4212.6 r180 top
C119 "22uF" SMD_0805_CAPC2012X145N 2086.61,4133.86 r180 top
C120 "100nF" SMD_0402_CAPC1005X55N 3555.12,566.93 r90 top
C121 "100nF" SMD_0402_CAPC1005X55N 1074.8,6362.2 r270 top
C122 "22uF" SMD_0805_CAPC2012X145N 2086.61,4291.34 r180 top
C123 "22uF" SMD_0805_CAPC2012X145N 2086.61,4370.08 r180 top
C124 "220nF" SMD_0603_CAPC1608X95N 3779.53,437.01 r0 top
C125 "220nF" SMD_0603_CAPC1608X95N 850.39,6492.13 r180 top
C126 "22uF" SMD_0805_CAPC2012X145N 2086.61,4448.82 r180 top
C127 "22uF" SMD_0805_CAPC2012X145N 2086.61,4527.56 r180 top
C128 "100uF" SMD_1210_CAPC3225X270N 3748.03,342.52 r0 top
C129 "100uF" SMD_1210_CAPC3225X270N 4157.48,370.08 r180 top
C130 "220uF" SMD_1210_CAPC3225X279N 3421.26,1000 r0 top
C131 "220uF" SMD_1210_CAPC3225X279N 3421.26,842.52 r0 top
C132 "220uF" SMD_1210_CAPC3225X279N 3421.26,685.04 r0 top
C133 "100uF" SMD_1210_CAPC3225X270N 881.89,6586.61 r180 top
C134 "100uF" SMD_1210_CAPC3225X270N 472.12,6716.2 r0 top
C135 "220uF" SMD_1210_CAPC3225X279N 1208.66,5929.13 r180 top
C136 "220uF" SMD_1210_CAPC3225X279N 1208.66,6086.61 r180 top
C137 "220uF" SMD_1210_CAPC3225X279N 1208.66,6244.09 r180 top
C138 "22uF" SMD_0805_CAPC2012X145N 2086.61,4685.04 r180 top
C139 "22uF" SMD_0805_CAPC2012X145N 2086.61,4606.3 r180 top
C140 "22uF" SMD_0805_CAPC2012X145N 1850.39,3110.24 r0 top
C141 "22uF" SMD_0805_CAPC2012X145N 1850.39,3031.5 r0 top
C142 "22uF" SMD_0805_CAPC2012X145N 1850.39,2952.76 r0 top
C143 "22uF" SMD_0805_CAPC2012X145N 1850.39,2874.02 r0 top
C144 "22uF" SMD_0805_CAPC2012X145N 1850.39,2716.54 r0 top
C145 "22uF" SMD_0805_CAPC2012X145N 1850.39,2795.28 r0 top
C146 "22uF" SMD_0805_CAPC2012X145N 1850.39,2637.8 r0 top
C147 "22uF" SMD_0805_CAPC2012X145N 1850.39,2559.06 r0 top
C148 "22uF" SMD_0805_CAPC2012X145N 1850.39,2480.32 r0 top
C149 "22uF" SMD_0805_CAPC2012X145N 4043.31,4944.88 r180 top
C150 "22uF" SMD_0805_CAPC2012X145N 4043.31,5023.62 r180 top
C151 "22uF" SMD_0805_CAPC2012X145N 4043.31,5102.36 r180 top
C152 "22uF" SMD_0805_CAPC2012X145N 4043.31,5181.1 r180 top
C153 "22uF" SMD_0805_CAPC2012X145N 1850.39,2401.57 r0 top
C154 "22uF" SMD_0805_CAPC2012X145N 1850.39,2244.09 r0 top
C155 "22uF" SMD_0805_CAPC2012X145N 1850.39,2322.83 r0 top
C156 "220uF" SMD_1210_CAPC3225X279N 3641.73,3070.87 r0 top
C157 "220uF" SMD_1210_CAPC3225X279N 3641.73,3228.35 r0 top
C158 "220uF" SMD_1210_CAPC3225X279N 1850.39,4645.67 r0 top
C159 "220uF" SMD_1210_CAPC3225X279N 1850.39,4330.71 r0 top
C160 "220uF" SMD_1210_CAPC3225X279N 1850.39,4488.19 r0 top
C161 "220uF" SMD_1210_CAPC3225X279N 1850.39,4173.23 r0 top
C162 "220uF" SMD_1210_CAPC3225X279N 1850.39,3858.27 r0 top
C163 "220uF" SMD_1210_CAPC3225X279N 1850.39,4015.75 r0 top
C164 "220uF" SMD_1210_CAPC3225X279N 2086.61,3858.27 r180 top
C165 "220uF" SMD_1210_CAPC3225X279N 2086.61,4173.23 r180 top
C166 "22uF" SMD_0805_CAPC2012X145N 2086.61,2716.54 r180 top
C167 "22uF" SMD_0805_CAPC2012X145N 2086.61,2795.28 r180 top
C169 "22uF" SMD_0805_CAPC2012X145N 2086.61,2874.02 r180 top
C170 "22uF" SMD_0805_CAPC2012X145N 2086.61,2952.76 r180 top
C171 "22uF" SMD_0805_CAPC2012X145N 2086.61,3110.24 r180 top
C172 "22uF" SMD_0805_CAPC2012X145N 2086.61,3031.5 r180 top
C173 "22uF" SMD_0805_CAPC2012X145N 2086.61,2244.09 r180 top
C174 "22uF" SMD_0805_CAPC2012X145N 2086.61,2322.83 r180 top
C175 "22uF" SMD_0805_CAPC2012X145N 2086.61,2401.57 r180 top
C176 "22uF" SMD_0805_CAPC2012X145N 2086.61,2480.32 r180 top
C177 "22uF" SMD_0805_CAPC2012X145N 4043.31,5338.58 r180 top
C178 "22uF" SMD_0805_CAPC2012X145N 4043.31,5259.84 r180 top
C179 "22uF" SMD_0805_CAPC2012X145N 2086.61,2637.8 r180 top
C180 "22uF" SMD_0805_CAPC2012X145N 2086.61,2559.06 r180 top
C197 "220uF" SMD_1210_CAPC3225X279N 2086.61,4015.75 r180 top
C198 "220uF" SMD_1210_CAPC3225X279N 2086.61,4330.71 r180 top
C199 "220uF" SMD_1210_CAPC3225X279N 2086.61,4645.67 r180 top